# Altium PCB ltk-mw-tx-rx.PcbDoc
Units mil, origin at the board's own origin, x right, y up, seen from the top; angles counter-clockwise.
Board outline 4803.15 x 3799.21 mil, 2 copper layers (Top Layer, Bottom Layer), stack 61.756 mil thick; 98 components, 43 nets, 232 pads, 93 vias.
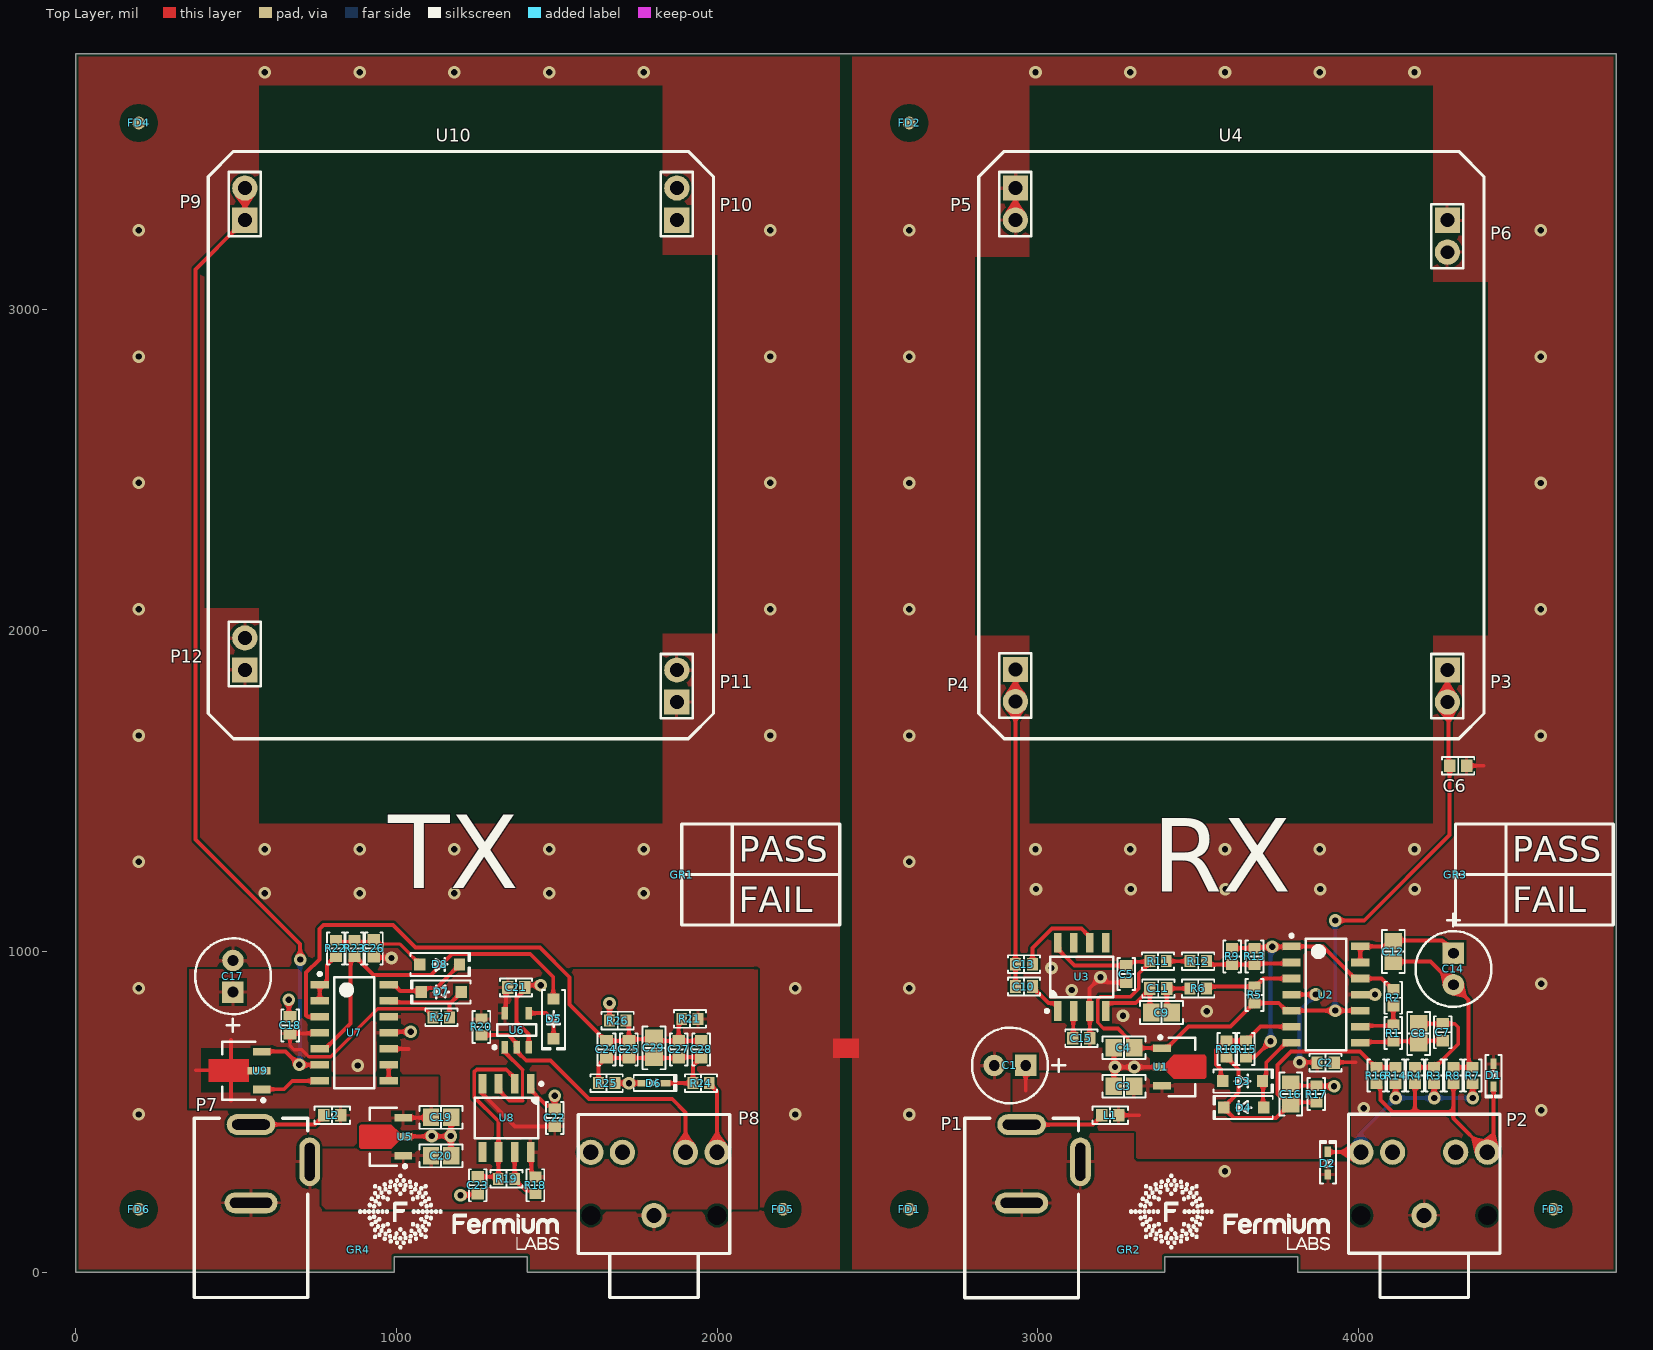
[diagram p0: Top Layer view]
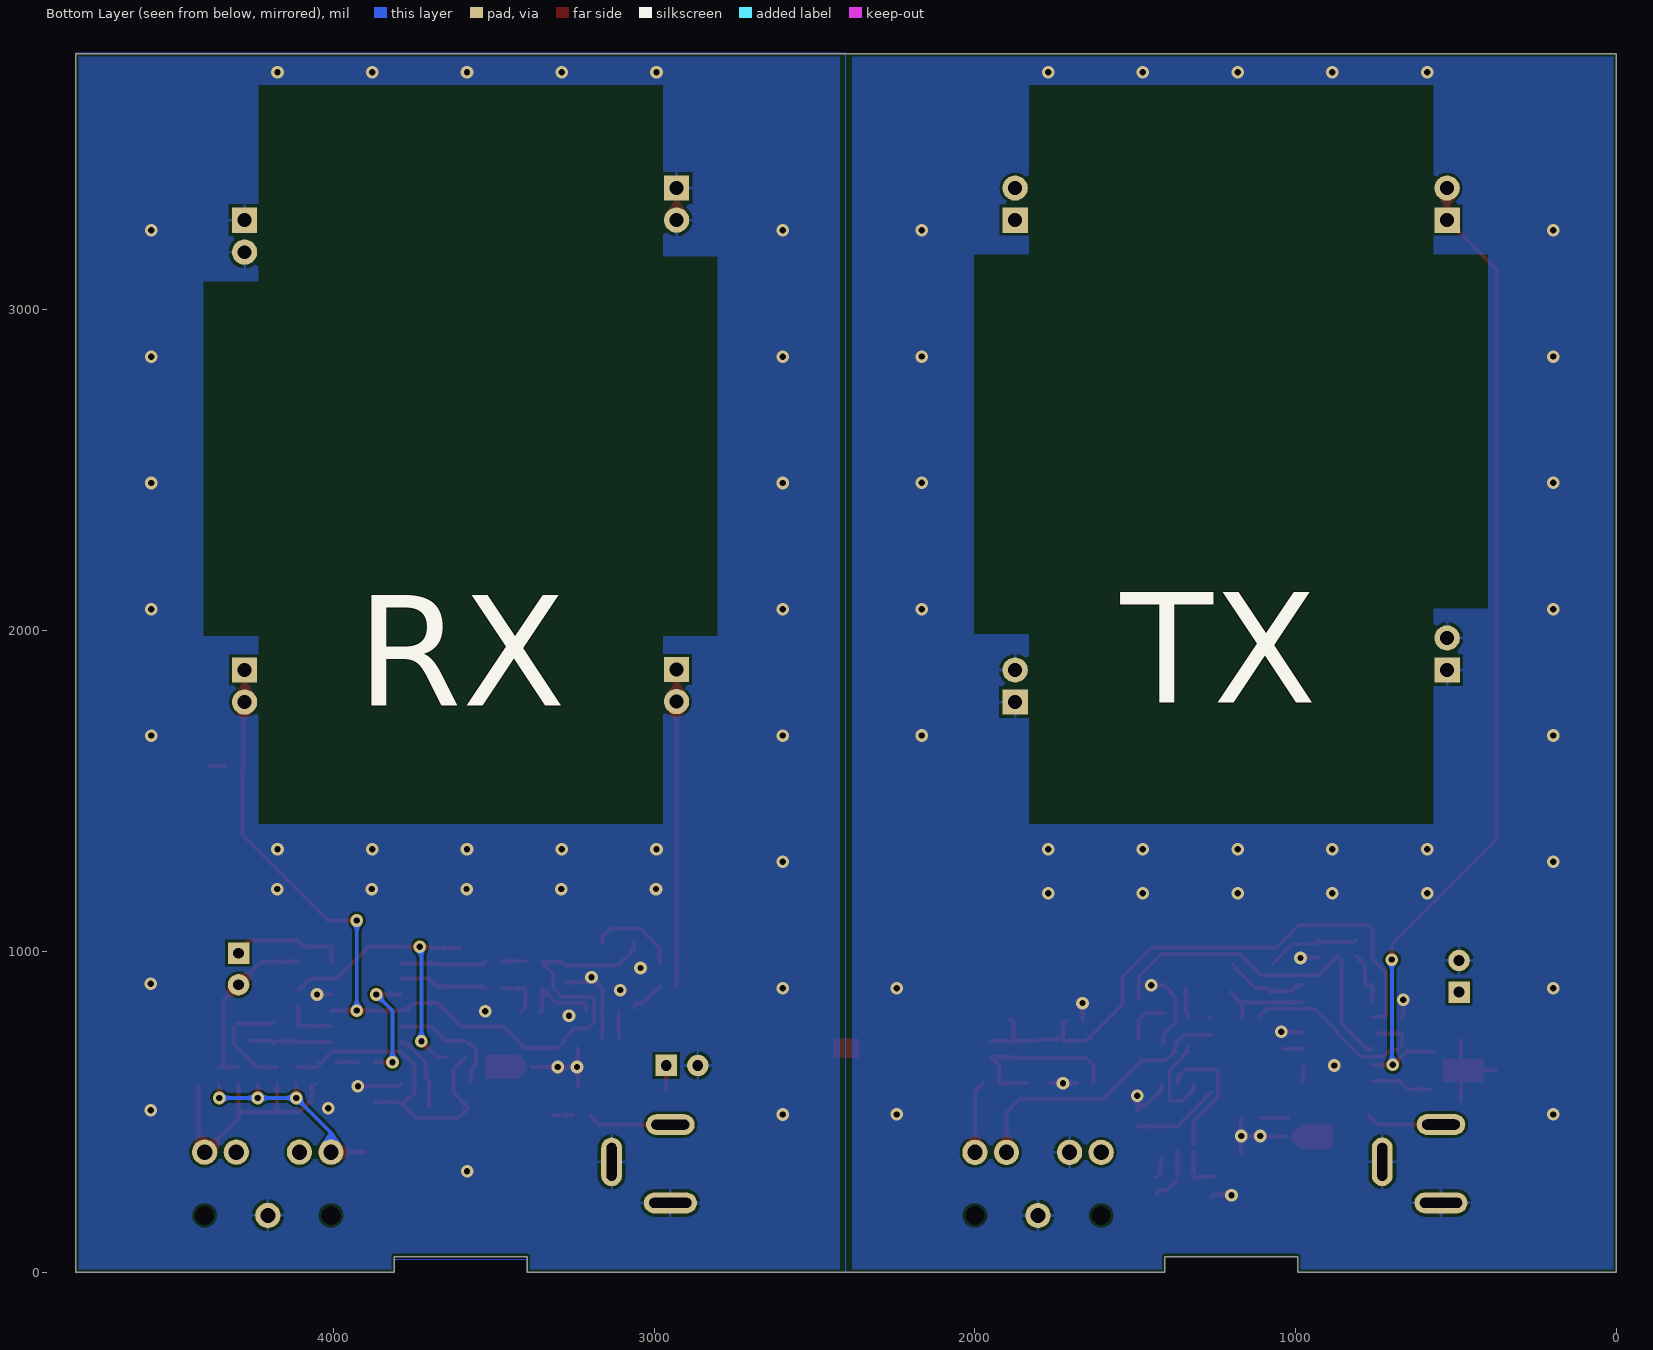
[diagram p1: Bottom Layer view, seen from below]
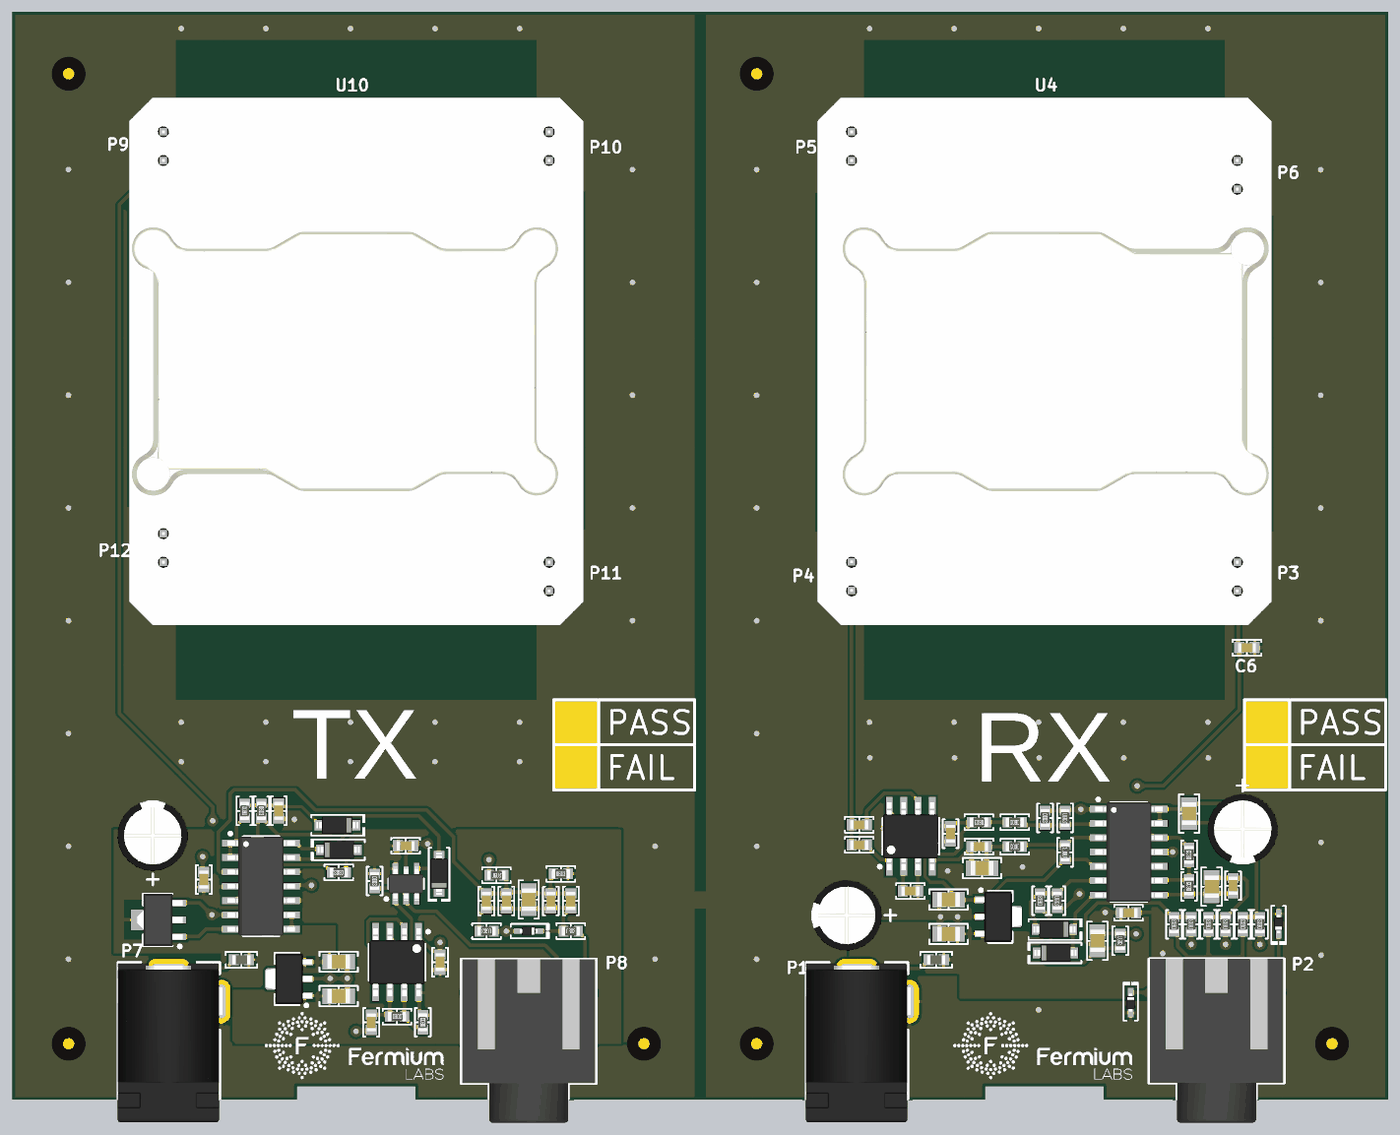
[diagram p2: 3D render of the assembled board from above, using the file's embedded part models]

## Layer stack, top to bottom
Top Solder: solder mask 1, SM-001, Dk 4
Top Layer: signal copper 1.3779
Dielectric 1: core 59, Core-043, Dk 4.3
Bottom Layer: signal copper 1.3779
Bottom Solder: solder mask 1, SM-001, Dk 4

## Board outline
0,0 0,3799.21 4803.15,3799.21 4803.15,0 3809.06,0 3809.06,49.21 3395.67,49.21 3395.67,0 2401.84,0 1407.48,0 1407.48,49.21 994.09,49.21 994.09,0

## Design rules (kind name [scope] priority, off if disabled: settings)
BoardOutlineClearance [All] p1: gap=10 ignorepadtopadclearanceinfootprint=FALSE
Clearance [All] p1: gap=8 ignorepadtopadclearanceinfootprint=FALSE
FanoutControl Fanout_LCC [All] p1 off: bgadir=Out bgaviamode=Centered fanoutstyle=Auto fanoutdirection=Alternating viagrid=1 // Protel DXP Scope 1 Expression Was: IsLCC   Fanout_LCC (Default Rule)
FanoutControl Fanout_BGA [All] p2 off: bgadir=Out bgaviamode=Centered fanoutstyle=Auto fanoutdirection=Alternating viagrid=1 // Protel DXP Scope 1 Expression Was: IsBGA   Fanout_BGA (Default Rule)
FanoutControl Fanout_SOIC [All] p3 off: bgadir=Out bgaviamode=Centered fanoutstyle=Auto fanoutdirection=Alternating viagrid=1 // Protel DXP Scope 1 Expression Was: IsSOIC   Fanout_SOIC (Default Rule)
FanoutControl Fanout_Default [All] p4: bgadir=Out bgaviamode=Centered fanoutstyle=Auto fanoutdirection=Alternating viagrid=1 // Fanout_Default (Default Rule)
FanoutControl Fanout_Small [All] p5 off: bgadir=Out bgaviamode=Centered fanoutstyle=Auto fanoutdirection=Alternating viagrid=1 // Protel DXP Scope 1 Expression Was: (CompPinCount < 5)   Fanout_Small (Default Rule)
HoleSize [All] p1: absolutevalues=TRUE maxlimit=248.03 minlimit=11.81 maxpercent=80.000 minpercent=20.000
HoleToHoleClearance HoleToHoleClearanceVia [IsVia vs IsVia] p1: gap=8 allowstackedmicrovias=TRUE
HoleToHoleClearance [not IsVia vs not IsVia] p2: gap=10 allowstackedmicrovias=TRUE
MinimumAnnularRing [All] p1: minimumring=6
MinimumSolderMaskSliver [All] p1 off: minsoldermaskwidth=8
PlaneConnect [All] p1: pad.planeconnectstyle=Relief pad.reliefexpansion=20 pad.reliefentries=4 pad.reliefconductorwidth=10 pad.reliefairgap=10 via.planeconnectstyle=Direct via.reliefexpansion=20 via.reliefentries=4 via.reliefconductorwidth=10 via.reliefairgap=10
PolygonConnect [All] p1: thpad.connectstyle=Relief thpad.reliefconductorwidth=10 thpad.reliefentries=4 thpad.polygonreliefangle="90 Angle" thpad.airgapwidth=10 smdpad.connectstyle=Relief smdpad.reliefconductorwidth=10 smdpad.reliefentries=4 smdpad.polygonreliefangle="90 Angle" smdpad.airgapwidth=10 via.connectstyle=Direct via.reliefconductorwidth=10 via.reliefentries=4 via.polygonreliefangle="90 Angle" via.airgapwidth=10
RoomDefinition ltk-mw-rx [InComponentClass('ltk-mw-rx')] p1: confinementstyle=ConfineIn formatcopy=TRUE lockcomponents=FALSE outline -1980.86,-3636.44 19.14,-3636.44 19.14,-2636.44 -1980.86,-2636.44
RoomDefinition ltk-mw-tx [InComponentClass('ltk-mw-tx')] p2: confinementstyle=ConfineIn formatcopy=TRUE lockcomponents=FALSE outline -1980.86,-3636.44 19.14,-3636.44 19.14,-2636.44 -1980.86,-2636.44
RoutingVias [All] p1: holewidth=15.75 width=31.5 viastyle="Through Hole" minholewidth=13.78 minwidth=27.56 maxholewidth=39.37 maxwidth=50
SilkToSilkClearance [All] p1: silktosilkclearance=7.87
SilkToSolderMaskClearance [All] p1 off: minsilkscreentomaskgap=10 clearancetoexposedcopper=TRUE // Protel DXP Scope 1 Expression Was: IsPad
SolderMaskExpansion [All] p1: expansion=2
UnRoutedNet [All] p1: checkbadconnections=TRUE
Width [All] p1: maxlimit=200 minlimit=8 preferedwidth=12
18 further rules are at their usual default settings.

## Classes and differential pairs
component class ltk-mw-tx: C17 C18 C19 C20 C21 C22 C23 C24 C25 C26 C27 C28 C29 D5 D6 D7 D8 FD4 FD5 FD6 GR3 GR4 L2 P7 P8 P9 P10 P11 P12 R18 R19 R20 R21 R22 R23 R24 R25 R26 R27 U5 U6 U7 U8 U9 U10
component class ltk-mw-rx: C1 C2 C3 C4 C5 C6 C7 C8 C9 C10 C11 C12 C13 C14 C15 C16 D1 D2 D3 D4 FD1 FD2 FD3 GR1 GR2 L1 P1 P2 P3 P4 P5 P6 R1 R2 R3 R4 R5 R6 R7 R8 R9 R10 R11 R12 R13 R14 R15 R16 R17 U1 U2 U3 U4

## Components (designator, comment, footprint, x,y, rotation, side; value= is the part's Value field where it differs from the comment)
C1 "220uF" 3924B366-8672-45E9-B0BE-62DACC24E783 2961.76,645.07 r180 top
C2 "100nF" "CAP 0603_1608" 3896.37,653.92 r180 top
C3 "10uF" "CAP 0805_2012" 3268.07,580.24 r0 top
C4 "10uF" "CAP 0805_2012" 3268.07,700.24 r0 top
C5 "100nF" "CAP 0603_1608" 3275.08,930.07 r90 top
C6 "100nF" "CAP 0603_1608" 4309.81,1579.29 r180 top
C7 "100nF" "CAP 0603_1608" 4261.37,748.5 r90 top
C8 "10uF" "CAP 0805_2012" 4186.37,745.07 r90 top
C9 "10uF" "CAP 0805_2012" 3385,810 r0 top
C10 "1nF" "CAP 0603_1608" 2956.37,891.04 r0 top
C11 "100nF" "CAP 0603_1608" 3375,885 r0 top
C12 "10uF" "CAP 0805_2012" 4107.67,1000.07 r90 top
C13 "1nF" "CAP 0603_1608" 2956.37,961.04 r0 top
C14 "220uF" 3924B366-8672-45E9-B0BE-62DACC24E783 4295,995 r270 top
C15 "100nF" "CAP 0603_1608" 3135,730 r0 top
C16 "10uF" "CAP 0805_2012" 3787.67,556.04 r90 top
C17 "220uF" 3924B366-8672-45E9-B0BE-62DACC24E783 490.72,873.91 r90 top
C18 "100nF" "CAP 0603_1608" 668.69,770 r270 top
C19 "10uF" "CAP 0805_2012" 1139.48,483.19 r180 top
C20 "10uF" "CAP 0805_2012" 1139.48,363.19 r180 top
C21 "100nF" "CAP 0603_1608" 1373.43,888.03 r180 top
C22 "100nF" "CAP 0603_1608" 1493.43,481.57 r270 top
C23 "100nF" "CAP 0603_1608" 1253.43,271.57 r270 top
C24 "100nF" "CAP 0603_1608" 1655,695 r90 top
C25 "100nF" "CAP 0603_1608" 1725,695 r90 top
C26 "1nF" "CAP 0603_1608" 930,1010 r270 top
C27 "100nF" "CAP 0603_1608" 1880,695 r90 top
C28 "100nF" "CAP 0603_1608" 1950,695 r90 top
C29 "10uF" "CAP 0805_2012" 1802.99,700 r90 top
D1 "3.3V" SOD523F 4420,615 r270 top
D2 "3.3V" SOD523F 3903.68,340.46 r90 top
D3 "1N4148W-TP" SOD-123 3637.67,596.04 r0 top
D4 "1N4148W-TP" SOD-123 3641.3,513.7 r180 top
D5 "1N4148W-TP" SOD-123 1490,790 r270 top
D6 "3.3V" SOD523F 1802.99,590 r0 top
D7 "1N4148W-TP" SOD-123 1140,874 r180 top
D8 "1N4148W-TP" SOD-123 1135,960 r0 top
FD1 "IPC-7351A FIDUCIAL" FIDUCIAL-IPC-7351A 2598.69,196.85 r0 top
FD2 "IPC-7351A FIDUCIAL" FIDUCIAL-IPC-7351A 2598.69,3582.68 r0 top
FD3 "IPC-7351A FIDUCIAL" FIDUCIAL-IPC-7351A 4606.56,196.85 r0 top
FD4 "IPC-7351A FIDUCIAL" FIDUCIAL-IPC-7351A 197.12,3582.68 r0 top
FD5 "IPC-7351A FIDUCIAL" FIDUCIAL-IPC-7351A 2204.99,196.85 r0 top
FD6 "IPC-7351A FIDUCIAL" FIDUCIAL-IPC-7351A 197.12,196.85 r0 top
GR1 "PASS-FAIL" 0B1556B7-A534-4801-B57D-01EFA34B1205 1889.76,1240.16 r0 top
GR2 "FermiumLABS logo" 5394DE47-A0E8-4329-8464-7791B7C19310 3283.68,70.46 r0 top
GR3 "PASS-FAIL" 0B1556B7-A534-4801-B57D-01EFA34B1205 4301.18,1240.16 r0 top
GR4 "FermiumLABS logo" 5394DE47-A0E8-4329-8464-7791B7C19310 880.54,70.47 r0 top
L1 "BLM18BD252SN1D" "FER 0603_1608" 3225,490 r0 top
L2 "BLM18BD252SN1D" "FER 0603_1608" 800,490 r0 top
P1 "DC-005A-20A" F0972D8A-C5C0-4A84-836D-A9666EE65C2D 2949.09,460.63 r90 top locked
P2 "PJ-3900-04" 7EF2B92C-0FC9-4C85-B662-5CEC65BFCCC4 4203.68,177.73 r90 top locked
P3 "Z-211-0211-0021-001" 0FBEB40D-2B6D-43C7-945F-A2D40A82B953 4276.12,1877.56 r270 top locked
P4 "Z-211-0211-0021-001" 0FBEB40D-2B6D-43C7-945F-A2D40A82B953 2929.66,1879.21 r270 top locked
P5 "Z-211-0211-0021-001" 0FBEB40D-2B6D-43C7-945F-A2D40A82B953 2929.66,3379.92 r270 top locked
P6 "Z-211-0211-0021-001" 0FBEB40D-2B6D-43C7-945F-A2D40A82B953 4276.12,3279.92 r270 top locked
P7 "DC-005A-20A" F0972D8A-C5C0-4A84-836D-A9666EE65C2D 546.99,460.89 r90 top locked
P8 "PJ-3900-04" 7EF2B92C-0FC9-4C85-B662-5CEC65BFCCC4 1802.99,177.43 r90 top locked
P9 "Z-211-0211-0021-001" 0FBEB40D-2B6D-43C7-945F-A2D40A82B953 527.82,3279.92 r90 top locked
P10 "Z-211-0211-0021-001" 0FBEB40D-2B6D-43C7-945F-A2D40A82B953 1874.28,3279.92 r90 top locked
P11 "Z-211-0211-0021-001" 0FBEB40D-2B6D-43C7-945F-A2D40A82B953 1874.28,1777.56 r90 top locked
P12 "Z-211-0211-0021-001" 0FBEB40D-2B6D-43C7-945F-A2D40A82B953 527.82,1877.56 r90 top locked
R1 "10K" "RES 0603_1608" 4107.67,746.04 r90 top
R2 "100K" "RES 0603_1608" 4107.67,856.04 r90 top
R3 "0" "RES 0603_1608" 4235,613.7 r90 top
R4 "0" "RES 0603_1608" 4175,613.7 r90 top
R5 "100K" "RES 0603_1608" 3675,865 r90 top
R6 "10K" "RES 0603_1608" 3499.41,885 r180 top
R7 "0" "RES 0603_1608" 4355,613.7 r90 top
R8 "0" "RES 0603_1608" 4295,613.7 r90 top
R9 "100K" "RES 0603_1608" 3605,985 r270 top
R10 "10K" "RES 0603_1608" 3587.67,696.04 r90 top
R11 "10K" "RES 0603_1608" 3374.41,970 r180 top
R12 "10K" "RES 0603_1608" 3499.41,970 r180 top
R13 "100K" "RES 0603_1608" 3675,985 r270 top
R14 "0" "RES 0603_1608" 4115,613.7 r90 top
R15 "10K" "RES 0603_1608" 3647.67,696.04 r270 top
R16 "0" "RES 0603_1608" 4055,613.7 r90 top
R17 "100K" "RES 0603_1608" 3867.67,556.04 r270 top
R18 "1K" "RES 0603_1608" 1433.43,271.57 r90 top
R19 "10K" "RES 0603_1608" 1343.43,291.57 r0 top
R20 "10K" "RES 0603_1608" 1265,765 r270 top
R21 "10K" "RES 0603_1608" 1915,790 r0 top
R22 "1K" "RES 0603_1608" 811.15,1009.74 r90 top
R23 "1K" "RES 0603_1608" 870,1010 r270 top
R24 "1K" "RES 0603_1608" 1950,590 r0 top
R25 "10K" "RES 0603_1608" 1655.59,590 r180 top
R26 "100K" "RES 0603_1608" 1690,785 r0 top
R27 "1K" "RES 0603_1608" 1140,795 r180 top
U1 "AS78L05RTR-E1" E733EFB9-FE91-4AE9-9197-29251971C3DC 3458.07,640.24 r0 top
U2 "LM324DT" 34355DA5-B1DA-47C2-A88A-ECF82120A4F7 3897.67,866.04 r0 top
U3 "SA612AD/01,112" "TI SOIC-8 D" 3136.37,921.04 r90 top
U4 "NJR4178" 25B19271-CD6F-4BC8-A99B-F617D566DC9C 3602.89,1827.56 r0 top locked
U5 "AS78L05RTR-E1" E733EFB9-FE91-4AE9-9197-29251971C3DC 950.06,423.19 r180 top
U6 "74LVC1G00GV,125" 9B4F62E8-D129-4139-99C7-3E5580D0C4B3 1375,755 r90 top
U7 "LM324DT" 34355DA5-B1DA-47C2-A88A-ECF82120A4F7 868.69,746.74 r0 top
U8 "NE555DR" "TI SOIC-8 D" 1343.43,481.57 r270 top
U9 "BCX56-16,115" 13DB0D7C-893C-4A10-A75B-EAAEE46B398C 509.13,629.06 r180 top
U10 "NJR4178" 25B19271-CD6F-4BC8-A99B-F617D566DC9C 1201.05,3329.92 r180 top locked

## Footprints (in the part's own frame and the unit in brackets; to place one, negate y for a bottom-side part, rotate by r counter-clockwise, add the part's x,y. Pads: shape width x height; smd on the part's side, far side on the other; paste and mask are expansions set on the pad)
0B1556B7-A534-4801-B57D-01EFA34B1205 [mil]
  silkscreen extent 0,-157 492,157
0FBEB40D-2B6D-43C7-945F-A2D40A82B953 [mm]
  rect 2x2 hole 1.1: 1(0,0)
  round 2 hole 1.1: 2(2.54,0)
  silkscreen extent -1.27,-1.27 3.81,1.27, body extent -1.27,-1.27 3.81,1.27, height 8.89
7EF2B92C-0FC9-4C85-B662-5CEC65BFCCC4 [mm]
  round 0 hole 1.5 unplated: 1(0,5) 1(0,-5)
  round 2 hole 1.2: 1(0,0) 2(5,5) 3(5,-5) 4(5,2.5) 5(5,-2.5)
  silkscreen extent -6.5,-6 8,6, body extent -6.5,-5.9 8,5.9, height 9
9B4F62E8-D129-4139-99C7-3E5580D0C4B3 [mm] "SOT23, 6-Leads, Body 2.90x2.75mm, Pitch 0.95mm, IPC Medium Density"
  rect 1x0.5 smd: 1(-1.35,0.95) 2(-1.35,0) 3(-1.35,-0.95) 4(1.35,-0.95) 5(1.35,0.95)
  silkscreen extent -1.47,-1.55 0.45,1.87, body extent -1.5,-1.55 1.5,1.55, height 1.1
13DB0D7C-893C-4A10-A75B-EAAEE46B398C [mm] "SOT89, 3-Leads, Body 4.50x2.50mm, Pitch 1.50mm, Lead Span 4.1mm, IPC Medium Density"
  rect 1.4x0.6 smd: 1(-1.8,1.5) 3(-1.8,-1.5)
  rect 1.8x0.6 smd: 2(-1.6,0)
  Top Layer region: -0.8,0.9 2.4,0.9 2.4,-0.9 -0.8,-0.9
  silkscreen extent -2.05,-2.3 1.32,2.47, body extent -2.2,-2.3 1.85,2.3, height 1.6
25B19271-CD6F-4BC8-A99B-F617D566DC9C [mil]
  Top Layer pour cut-out: -629.92,1653.54
  Multi-Layer pour cut-out: -629.92,1675 -629.92,1675 629.92,1675 629.92,1259.84 800,1259.84 800,157.49 800.01,157.48 629.92,157.48 629.92,-175 619.09,-164.17 -629.92,-164.17 -629.92,157.48 -800,157.48 -800,1338.58 -629.92,1338.58
  silkscreen extent -787,-164 787,1667, body extent -787,-164 787,1667, height 488
3924B366-8672-45E9-B0BE-62DACC24E783 [mm]
  rect 1.7x1.7 hole 0.85: 1(0,0)
  round 1.7 hole 0.85: 2(2.5,0)
  silkscreen extent -3.13,-3 4.25,3, body extent -1.9,-3.15 4.4,3.15, height 11
5394DE47-A0E8-4329-8464-7791B7C19310 [mil]
  silkscreen extent 1,1 626,237
34355DA5-B1DA-47C2-A88A-ECF82120A4F7 [mm] "SOIC, 14-Leads, Body 8.65x3.90mm, Pitch 1.27mm, IPC Medium Density"
  rect 1.45x0.6 smd: 1(-2.725,3.81) 2(-2.725,2.54) 3(-2.725,1.27) 4(-2.725,0) 5(-2.725,-1.27) 6(-2.725,-2.54) 7(-2.725,-3.81) 8(2.725,-3.81) 9(2.725,-2.54) 10(2.725,-1.27) 11(2.725,0) 12(2.725,1.27) 13(2.725,2.54) 14(2.725,3.81)
  silkscreen extent -2.85,-4.4 1.6,4.78, body extent -3,-4.4 3,4.4, height 1.75
"CAP 0603_1608" [mm] "Chip Capacitor, 2-Leads, Body 1.60x0.80mm, IPC Medium Density"
  rect 0.9x1 smd: 1(-0.675,0) 2(0.675,0)
  silkscreen extent -1.27,-0.7 1.27,0.7, body extent -0.8,-0.41 0.8,0.41, height 0.82
"CAP 0805_2012" [mm] "Chip Capacitor, 2-Leads, Body 2.00x1.20mm, IPC Medium Density"
  rect 1.3x1.4 smd: 1(-0.8,0) 2(0.8,0)
  silkscreen extent -1.7,-0.9 1.7,0.9, body extent -1,-0.64 1,0.64, height 1.26
E733EFB9-FE91-4AE9-9197-29251971C3DC [mm]
  rect 1.4x0.6 smd: 1(-1.823,1.5) 3(-1.823,-1.5)